# KiCad board rosco_m68k_keyboard-2.kicad_pcb
title: rosco_m68k Project Box (keyboard); date: 2023-11-26; rev: 0; company: The Really Old-School Company Limited; note: Copyright 2023 The Really Old-School Company Limited; note: Closed Source; Not For Release; note: Design: roscopeco
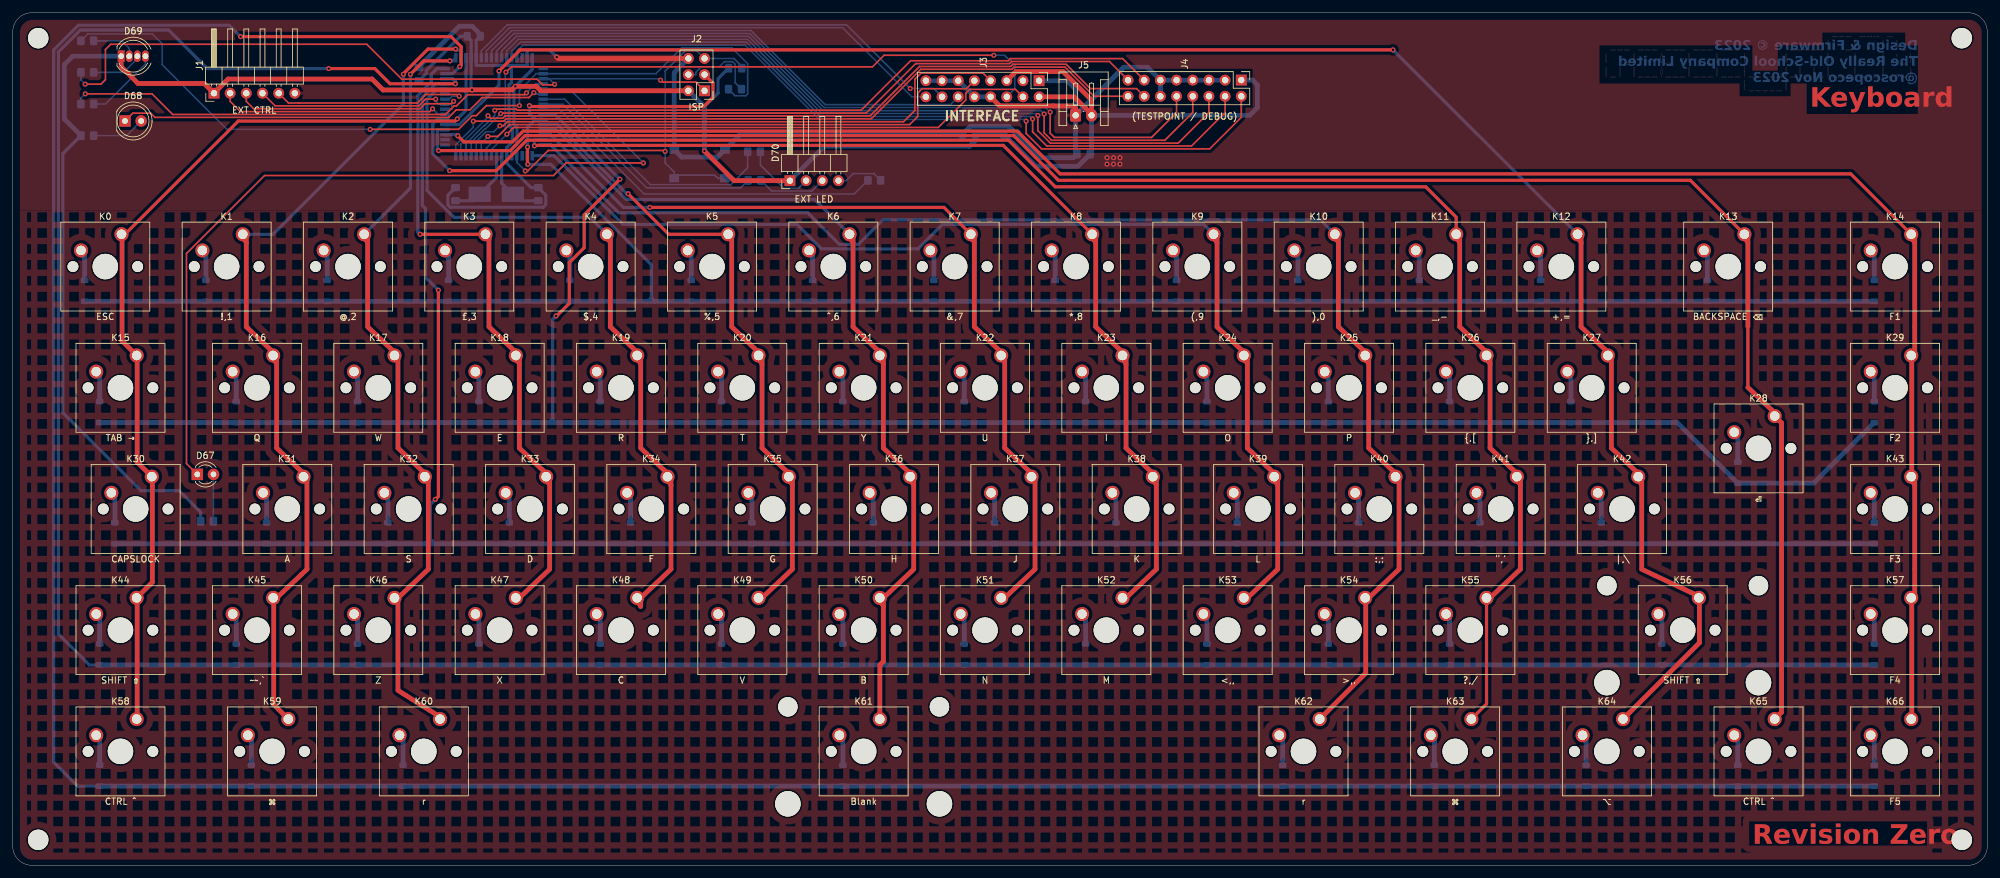
[diagram p0: board, top side]
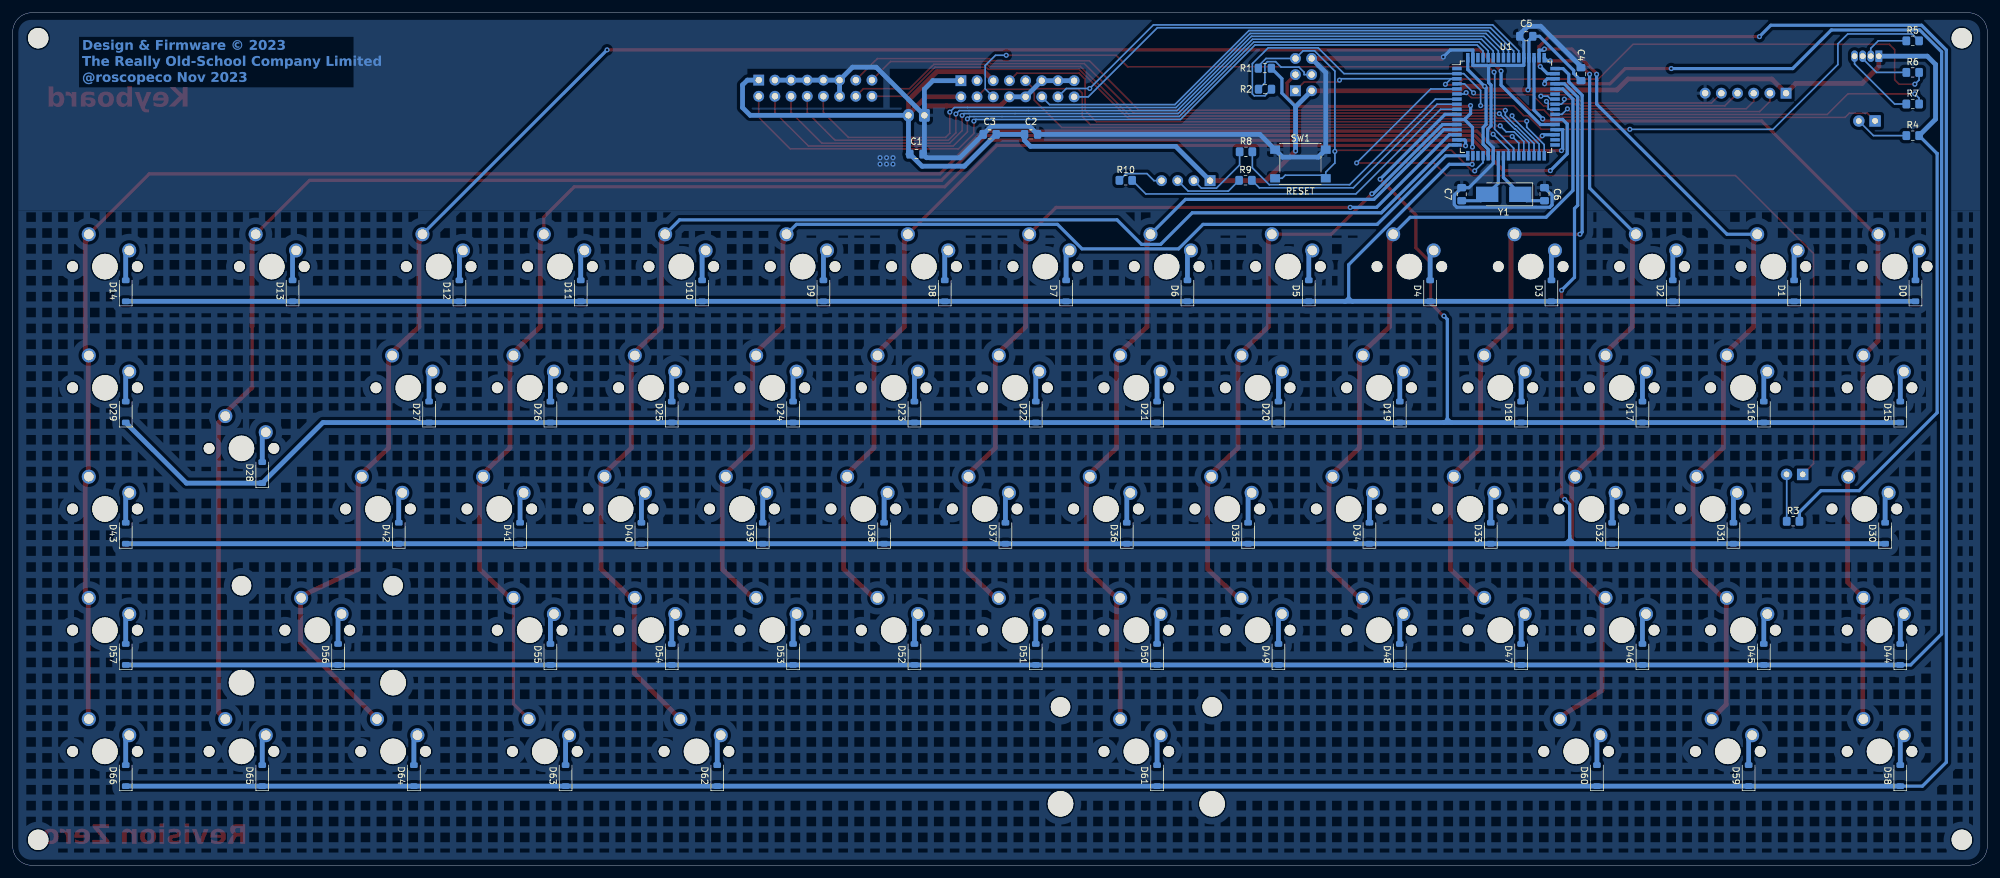
[diagram p1: board, bottom side, seen from below]

Outline 310 x 134 mm; copper layers: Top, Bottom. Coordinates in mm from the lower left corner of the outline.
Outline path: 0,131 arc(0.88,133.12) 3,134 307,134 arc(309.12,133.12) 310,131 310,3 arc(309.12,0.88) 307,0 3,0 arc(0.88,0.88) 0,3 0,131

## Placement (name value [footprint] x y rotation side)
C1  0.1u  [C_0805_2012Metric_Pad1.15x1.40mm_HandSolder]  168.12 111.78 180 bottom
C2  0.1u  [C_0805_2012Metric_Pad1.15x1.40mm_HandSolder]  150.12 114.88 180 bottom
C3  0.1u  [C_0805_2012Metric_Pad1.15x1.40mm_HandSolder]  156.62 114.88 0 bottom
C4  0.1u  [C_0805_2012Metric_Pad1.15x1.40mm_HandSolder]  63.78 124.34 90 bottom
C5  4.7u  [C_0805_2012Metric_Pad1.15x1.40mm_HandSolder]  72.38 130.29 0 bottom
C6  22p  [C_0805_2012Metric_Pad1.15x1.40mm_HandSolder]  69.51 105.48 90 bottom
C7  22p  [C_0805_2012Metric_Pad1.15x1.40mm_HandSolder]  82.51 105.48 90 bottom
D0  1N4148W  [D_SOD-123]  11.27 90.29 90 bottom
D1  1N4148W  [D_SOD-123]  30.32 90.29 90 bottom
D2  1N4148W  [D_SOD-123]  49.37 90.29 90 bottom
D3  1N4148W  [D_SOD-123]  68.42 90.29 90 bottom
D4  1N4148W  [D_SOD-123]  87.47 90.29 90 bottom
D5  1N4148W  [D_SOD-123]  106.52 90.29 90 bottom
D6  1N4148W  [D_SOD-123]  125.57 90.29 90 bottom
D7  1N4148W  [D_SOD-123]  144.62 90.29 90 bottom
D8  1N4148W  [D_SOD-123]  163.67 90.29 90 bottom
D9  1N4148W  [D_SOD-123]  182.72 90.29 90 bottom
D10  1N4148W  [D_SOD-123]  201.77 90.29 90 bottom
D11  1N4148W  [D_SOD-123]  220.82 90.29 90 bottom
D12  1N4148W  [D_SOD-123]  239.87 90.29 90 bottom
D13  1N4148W  [D_SOD-123]  266.07 90.29 90 bottom
D14  1N4148W  [D_SOD-123]  292.26 90.29 90 bottom
D15  1N4148W  [D_SOD-123]  13.65 71.24 90 bottom
D16  1N4148W  [D_SOD-123]  35.09 71.24 90 bottom
D17  1N4148W  [D_SOD-123]  54.14 71.24 90 bottom
D18  1N4148W  [D_SOD-123]  73.19 71.24 90 bottom
D19  1N4148W  [D_SOD-123]  92.24 71.24 90 bottom
D20  1N4148W  [D_SOD-123]  111.29 71.24 90 bottom
D21  1N4148W  [D_SOD-123]  130.34 71.24 90 bottom
D22  1N4148W  [D_SOD-123]  149.39 71.24 90 bottom
D23  1N4148W  [D_SOD-123]  168.44 71.24 90 bottom
D24  1N4148W  [D_SOD-123]  187.49 71.24 90 bottom
D25  1N4148W  [D_SOD-123]  206.54 71.24 90 bottom
D26  1N4148W  [D_SOD-123]  225.59 71.24 90 bottom
D27  1N4148W  [D_SOD-123]  244.64 71.24 90 bottom
D28  1N4148W  [D_SOD-123]  270.83 61.71 90 bottom
D29  1N4148W  [D_SOD-123]  292.26 71.24 90 bottom
D30  1N4148W  [D_SOD-123]  16.04 52.19 90 bottom
D31  1N4148W  [D_SOD-123]  39.85 52.19 90 bottom
D32  1N4148W  [D_SOD-123]  58.9 52.19 90 bottom
D33  1N4148W  [D_SOD-123]  77.95 52.19 90 bottom
D34  1N4148W  [D_SOD-123]  97 52.19 90 bottom
D35  1N4148W  [D_SOD-123]  116.05 52.19 90 bottom
D36  1N4148W  [D_SOD-123]  135.1 52.19 90 bottom
D37  1N4148W  [D_SOD-123]  154.15 52.19 90 bottom
D38  1N4148W  [D_SOD-123]  173.2 52.19 90 bottom
D39  1N4148W  [D_SOD-123]  192.25 52.19 90 bottom
D40  1N4148W  [D_SOD-123]  211.3 52.19 90 bottom
D41  1N4148W  [D_SOD-123]  230.35 52.19 90 bottom
D42  1N4148W  [D_SOD-123]  249.4 52.19 90 bottom
D43  1N4148W  [D_SOD-123]  292.26 52.19 90 bottom
D44  1N4148W  [D_SOD-123]  13.65 33.14 90 bottom
D45  1N4148W  [D_SOD-123]  35.09 33.14 90 bottom
D46  1N4148W  [D_SOD-123]  54.14 33.14 90 bottom
D47  1N4148W  [D_SOD-123]  73.19 33.14 90 bottom
D48  1N4148W  [D_SOD-123]  92.24 33.14 90 bottom
D49  1N4148W  [D_SOD-123]  111.29 33.14 90 bottom
D50  1N4148W  [D_SOD-123]  130.34 33.14 90 bottom
D51  1N4148W  [D_SOD-123]  149.39 33.14 90 bottom
D52  1N4148W  [D_SOD-123]  168.44 33.14 90 bottom
D53  1N4148W  [D_SOD-123]  187.49 33.14 90 bottom
D54  1N4148W  [D_SOD-123]  206.54 33.14 90 bottom
D55  1N4148W  [D_SOD-123]  225.59 33.14 90 bottom
D56  1N4148W  [D_SOD-123]  258.92 33.14 90 bottom
D57  1N4148W  [D_SOD-123]  292.26 33.14 90 bottom
D58  1N4148W  [D_SOD-123]  13.65 14.09 90 bottom
D59  1N4148W  [D_SOD-123]  37.47 14.09 90 bottom
D60  1N4148W  [D_SOD-123]  61.28 14.09 90 bottom
D61  1N4148W  [D_SOD-123]  130.34 14.09 90 bottom
D62  1N4148W  [D_SOD-123]  199.39 14.09 90 bottom
D63  1N4148W  [D_SOD-123]  223.2 14.09 90 bottom
D64  1N4148W  [D_SOD-123]  247.02 14.09 90 bottom
D65  1N4148W  [D_SOD-123]  270.83 14.09 90 bottom
D66  1N4148W  [D_SOD-123]  292.26 14.09 90 bottom
D67  CAPSLOCK  [LED_D3.0mm]  28.98 61.44 0 top
D68  DISK  [LED_D5.0mm]  17.62 116.99 0 top
D69  POWER  [LED_D5.0mm-4_RGB]  17.02 127.17 0 top
D70  EXT_LED  [PinHeader_1x04_P2.54mm_Horizontal]  122.02 107.6 90 top
H1  MountingHole  [MountingHole_3.2mm_M3_DIN965]  4 130 0 top
H2  MountingHole  [MountingHole_3.2mm_M3_DIN965]  306 130 0 top
H3  MountingHole  [MountingHole_3.2mm_M3_DIN965]  306 4 0 top
H4  MountingHole  [MountingHole_3.2mm_M3_DIN965]  4 4 0 top
J1  Conn_01x04_Pin  [PinHeader_1x06_P2.54mm_Horizontal]  31.59 121.35 90 top
J2  Conn_02x03_Odd_Even  [PinHeader_2x03_P2.54mm_Vertical]  108.62 121.73 180 top
J3  Conn_02x08_Odd_Even  [PinHeader_2x08_P2.54mm_Vertical]  161.14 123.32 270 top
J4  Conn_02x08_Odd_Even  [PinHeader_2x08_P2.54mm_Vertical]  192.88 123.41 270 top
J5  Conn_02x02_Odd_Even  [JST_EH_S2B-EH_1x02_P2.50mm_Horizontal]  166.87 117.88 0 top
K0  ESC  [SW_Cherry_MX_1.00u_PCB]  17.07 99.18 0 top
K1  !,1  [SW_Cherry_MX_1.00u_PCB]  36.12 99.18 0 top
K2  @,2  [SW_Cherry_MX_1.00u_PCB]  55.17 99.18 0 top
K3  £,3  [SW_Cherry_MX_1.00u_PCB]  74.22 99.18 0 top
K4  $,4  [SW_Cherry_MX_1.00u_PCB]  93.27 99.18 0 top
K5  %,5  [SW_Cherry_MX_1.00u_PCB]  112.32 99.18 0 top
K6  ^,6  [SW_Cherry_MX_1.00u_PCB]  131.37 99.18 0 top
K7  &,7  [SW_Cherry_MX_1.00u_PCB]  150.42 99.18 0 top
K8  *,8  [SW_Cherry_MX_1.00u_PCB]  169.47 99.18 0 top
K9  (,9  [SW_Cherry_MX_1.00u_PCB]  188.52 99.18 0 top
K10  ),0  [SW_Cherry_MX_1.00u_PCB]  207.57 99.18 0 top
K11  _,-  [SW_Cherry_MX_1.00u_PCB]  226.62 99.18 0 top
K12  +,=  [SW_Cherry_MX_1.00u_PCB]  245.67 99.18 0 top
K13  BACKSPACE ⌫  [SW_Cherry_MX_1.75u_PCB]  271.87 99.18 0 top
K14  F1  [SW_Cherry_MX_1.00u_PCB]  298.06 99.18 0 top
K15  TAB ⇥  [SW_Cherry_MX_1.25u_PCB]  19.45 80.13 0 top
K16  Q  [SW_Cherry_MX_1.00u_PCB]  40.89 80.13 0 top
K17  W  [SW_Cherry_MX_1.00u_PCB]  59.94 80.13 0 top
K18  E  [SW_Cherry_MX_1.00u_PCB]  78.99 80.13 0 top
K19  R  [SW_Cherry_MX_1.00u_PCB]  98.04 80.13 0 top
K20  T  [SW_Cherry_MX_1.00u_PCB]  117.09 80.13 0 top
K21  Y  [SW_Cherry_MX_1.00u_PCB]  136.14 80.13 0 top
K22  U  [SW_Cherry_MX_1.00u_PCB]  155.19 80.13 0 top
K23  I  [SW_Cherry_MX_1.00u_PCB]  174.24 80.13 0 top
K24  O  [SW_Cherry_MX_1.00u_PCB]  193.29 80.13 0 top
K25  P  [SW_Cherry_MX_1.00u_PCB]  212.34 80.13 0 top
K26  {,[  [SW_Cherry_MX_1.00u_PCB]  231.39 80.13 0 top
K27  },]  [SW_Cherry_MX_1.00u_PCB]  250.43 80.13 0 top
K28  ⏎  [SW_Cherry_MX_1.25u_PCB]  276.63 70.6 0 top
K29  F2  [SW_Cherry_MX_1.00u_PCB]  298.06 80.13 0 top
K30  CAPSLOCK  [SW_Cherry_MX_1.50u_PCB]  21.84 61.08 0 top
K31  A  [SW_Cherry_MX_1.00u_PCB]  45.65 61.08 0 top
K32  S  [SW_Cherry_MX_1.00u_PCB]  64.7 61.08 0 top
K33  D  [SW_Cherry_MX_1.00u_PCB]  83.75 61.08 0 top
K34  F  [SW_Cherry_MX_1.00u_PCB]  102.8 61.08 0 top
K35  G  [SW_Cherry_MX_1.00u_PCB]  121.85 61.08 0 top
K36  H  [SW_Cherry_MX_1.00u_PCB]  140.9 61.08 0 top
K37  J  [SW_Cherry_MX_1.00u_PCB]  159.95 61.08 0 top
K38  K  [SW_Cherry_MX_1.00u_PCB]  179 61.08 0 top
K39  L  [SW_Cherry_MX_1.00u_PCB]  198.05 61.08 0 top
K40  :,;  [SW_Cherry_MX_1.00u_PCB]  217.1 61.08 0 top
K41  ",'  [SW_Cherry_MX_1.00u_PCB]  236.15 61.08 0 top
K42  |,\  [SW_Cherry_MX_1.00u_PCB]  255.2 61.08 0 top
K43  F3  [SW_Cherry_MX_1.00u_PCB]  298.06 61.08 0 top
K44  SHIFT ⇧  [SW_Cherry_MX_1.25u_PCB]  19.45 42.03 0 top
K45  ~~,`  [SW_Cherry_MX_1.00u_PCB]  40.89 42.03 0 top
K46  Z  [SW_Cherry_MX_1.00u_PCB]  59.94 42.03 0 top
K47  X  [SW_Cherry_MX_1.00u_PCB]  78.98 42.03 0 top
K48  C  [SW_Cherry_MX_1.00u_PCB]  98.04 42.03 0 top
K49  V  [SW_Cherry_MX_1.00u_PCB]  117.09 42.03 0 top
K50  B  [SW_Cherry_MX_1.00u_PCB]  136.14 42.03 0 top
K51  N  [SW_Cherry_MX_1.00u_PCB]  155.19 42.03 0 top
K52  M  [SW_Cherry_MX_1.00u_PCB]  174.24 42.03 0 top
K53  <,,  [SW_Cherry_MX_1.00u_PCB]  193.29 42.03 0 top
K54  >,.  [SW_Cherry_MX_1.00u_PCB]  212.34 42.03 0 top
K55  ?,/  [SW_Cherry_MX_1.00u_PCB]  231.39 42.03 0 top
K56  SHIFT ⇧  [SW_Cherry_MX_2.25u_PCB]  264.72 42.03 0 top
K57  F4  [SW_Cherry_MX_1.00u_PCB]  298.06 42.03 0 top
K58  CTRL ^  [SW_Cherry_MX_1.25u_PCB]  19.45 22.98 0 top
K59  ⌘  [SW_Cherry_MX_1.25u_PCB]  43.27 22.98 0 top
K60  r  [SW_Cherry_MX_1.25u_PCB]  67.08 22.98 0 top
K61  Blank  [SW_Cherry_MX_2.75u_PCB]  136.14 22.98 0 top
K62  r  [SW_Cherry_MX_1.25u_PCB]  205.19 22.98 0 top
K63  ⌘  [SW_Cherry_MX_1.25u_PCB]  229 22.98 0 top
K64  ⌥  [SW_Cherry_MX_1.25u_PCB]  252.82 22.98 0 top
K65  CTRL ^  [SW_Cherry_MX_1.25u_PCB]  276.63 22.98 0 top
K66  F5  [SW_Cherry_MX_1.00u_PCB]  298.06 22.98 0 top
R1  10k  [R_0805_2012Metric_Pad1.15x1.40mm_HandSolder]  113.42 125.28 180 bottom
R2  1K  [R_0805_2012Metric_Pad1.15x1.40mm_HandSolder]  113.4 121.98 180 bottom
R3  10k  [R_0805_2012Metric_Pad1.20x1.40mm_HandSolder]  30.49 54.07 180 bottom
R4  10k  [R_0805_2012Metric_Pad1.20x1.40mm_HandSolder]  11.7 114.69 180 bottom
R5  10k  [R_0805_2012Metric_Pad1.20x1.40mm_HandSolder]  11.7 129.58 180 bottom
R6  10k  [R_0805_2012Metric_Pad1.20x1.40mm_HandSolder]  11.7 124.62 180 bottom
R7  10k  [R_0805_2012Metric_Pad1.20x1.40mm_HandSolder]  11.7 119.65 180 bottom
R8  10k  [R_0805_2012Metric_Pad1.20x1.40mm_HandSolder]  116.38 112.15 180 bottom
R9  10k  [R_0805_2012Metric_Pad1.20x1.40mm_HandSolder]  116.46 107.66 180 bottom
R10  10k  [R_0805_2012Metric_Pad1.20x1.40mm_HandSolder]  135.25 107.66 180 bottom
REF**  -  [MD-rosco_m68k_logo]  275.1 123.02 0 top
SW1  Reset_SW  [SW_Push_1P1T_NO_6x6mm_H9.5mm]  107.83 110.23 180 bottom
U1  ATmega64A-A  [TQFP-64_14x14mm_P0.8mm]  75.56 119.22 180 bottom
Y1  Crystal  [Crystal_SMD_5032-2Pin_5.0x3.2mm_HandSoldering]  75.91 105.45 0 bottom

## Library data of the parts
C1-C7 = -: Description: Unpolarized capacitor
D0-D66 = -: Description: Diode; Sim.Device: D; Sim.Pins: 1=K 2=A
D67 D68 = -: Description: Light emitting diode
D69 D70 = -: Description: RGB LED, anode/red/green/blue
H1-H4 = -: Description: Mounting Hole without connection
J1 = -: Description: Generic connector, single row, 01x06, script generated
J2 = -: Description: Generic connector, double row, 02x03, odd/even pin numbering scheme (row 1 odd numbers, row 2 even numbers), script generated (kicad-library-utils/schlib/autogen/connector/)
J3 J4 = -: Description: Generic connector, double row, 02x08, odd/even pin numbering scheme (row 1 odd numbers, row 2 even numbers), script generated (kicad-library-utils/schlib/autogen/connector/)
J5 = -: Description: Generic connector, single row, 01x02, script generated (kicad-library-utils/schlib/autogen/connector/)
K0-K66 SW1 = -: Description: Push button switch, generic, two pins
R1-R10 = -: Description: Resistor
U1 = -: Description: 16MHz, 64kB Flash, 4kB SRAM, 2kB EEPROM, TQFP-64
Y1 = -: Description: Two pin crystal

## Footprints (pads in the part's own frame, mm; a bottom-side part is the same pattern mirrored in y, then rotated)
C_0805_2012Metric_Pad1.15x1.40mm_HandSolder
  rrect 1.15x1.4 smd: 1(-1.025,0) 2(1.025,0)
Crystal_SMD_5032-2Pin_5.0x3.2mm_HandSoldering
  rect 3.5x2.4 smd: 1(-2.6,0) 2(2.6,0)
D_SOD-123
  rrect 0.9x1.2 smd: 1(-1.65,0) 2(1.65,0)
JST_EH_S2B-EH_1x02_P2.50mm_Horizontal
  rrect 1.7x2 hole 1: 1(0,0)
  oval 1.7x2 hole 1: 2(2.5,0)
LED_D3.0mm
  rect 1.8x1.8 hole 0.9: 1(0,0)
  round 1.8 hole 0.9: 2(2.54,0)
LED_D5.0mm
  rect 1.8x1.8 hole 0.9: 1(0,0)
  round 1.8 hole 0.9: 2(2.54,0)
LED_D5.0mm-4_RGB
  rect 1.07x1.8 hole 0.9: 1(0,0)
  oval 1.07x1.8 hole 0.9: 2(1.27,0) 3(2.54,0) 4(3.81,0)
MountingHole_3.2mm_M3_DIN965
  round 3.2 hole 3.2 unplated: (0,0)
PinHeader_1x04_P2.54mm_Horizontal
  rect 1.7x1.7 hole 1: 1(0,0)
  oval 1.7x1.7 hole 1: 2(0,-2.54) 3(0,-5.08) 4(0,-7.62)
PinHeader_1x06_P2.54mm_Horizontal
  rect 1.7x1.7 hole 1: 1(0,0)
  oval 1.7x1.7 hole 1: 2(0,-2.54) 3(0,-5.08) 4(0,-7.62) 5(0,-10.16) 6(0,-12.7)
PinHeader_2x03_P2.54mm_Vertical
  rect 1.7x1.7 hole 1: 1(0,0)
  oval 1.7x1.7 hole 1: 2(2.54,0) 3(0,-2.54) 4(2.54,-2.54) 5(0,-5.08) 6(2.54,-5.08)
PinHeader_2x08_P2.54mm_Vertical
  rect 1.7x1.7 hole 1: 1(0,0)
  oval 1.7x1.7 hole 1: 2(2.54,0) 3(0,-2.54) 4(2.54,-2.54) 5(0,-5.08) 6(2.54,-5.08) 7(0,-7.62) 8(2.54,-7.62) 9(0,-10.16) 10(2.54,-10.16) 11(0,-12.7) 12(2.54,-12.7) 13(0,-15.24) 14(2.54,-15.24) 15(0,-17.78) 16(2.54,-17.78)
R_0805_2012Metric_Pad1.15x1.40mm_HandSolder
  rrect 1.15x1.4 smd: 1(-1.025,0) 2(1.025,0)
R_0805_2012Metric_Pad1.20x1.40mm_HandSolder
  rrect 1.2x1.4 smd: 1(-1,0) 2(1,0)
SW_Cherry_MX_1.00u_PCB
  round 1.7 hole 1.7 unplated: (-7.62,-5.08) (2.54,-5.08)
  round 4 hole 4 unplated: (-2.54,-5.08)
  round 2.2 hole 1.5: 1(0,0) 2(-6.35,-2.54)
SW_Cherry_MX_1.25u_PCB
  round 1.7 hole 1.7 unplated: (-7.62,-5.08) (2.54,-5.08)
  round 4 hole 4 unplated: (-2.54,-5.08)
  round 2.2 hole 1.5: 1(0,0) 2(-6.35,-2.54)
SW_Cherry_MX_1.50u_PCB
  round 1.7 hole 1.7 unplated: (-7.62,-5.08) (2.54,-5.08)
  round 4 hole 4 unplated: (-2.54,-5.08)
  round 2.2 hole 1.5: 1(0,0) 2(-6.35,-2.54)
SW_Cherry_MX_1.75u_PCB
  round 1.7 hole 1.7 unplated: (-7.62,-5.08) (2.54,-5.08)
  round 4 hole 4 unplated: (-2.54,-5.08)
  round 2.2 hole 1.5: 1(0,0) 2(-6.35,-2.54)
SW_Cherry_MX_2.25u_PCB
  round 3.05 hole 3.05 unplated: (-14.44,1.92) (9.36,1.92)
  round 4 hole 4 unplated: (-14.44,-13.32) (-2.54,-5.08) (9.36,-13.32)
  round 1.7 hole 1.7 unplated: (-7.62,-5.08) (2.54,-5.08)
  round 2.2 hole 1.5: 1(0,0) 2(-6.35,-2.54)
SW_Cherry_MX_2.75u_PCB
  round 3.05 hole 3.05 unplated: (-14.44,1.92) (9.36,1.92)
  round 4 hole 4 unplated: (-14.44,-13.32) (-2.54,-5.08) (9.36,-13.32)
  round 1.7 hole 1.7 unplated: (-7.62,-5.08) (2.54,-5.08)
  round 2.2 hole 1.5: 1(0,0) 2(-6.35,-2.54)
SW_Push_1P1T_NO_6x6mm_H9.5mm
  rect 1.55x1.3 smd: 1(-3.975,2.25) 1(3.975,2.25) 2(-3.975,-2.25) 2(3.975,-2.25)
TQFP-64_14x14mm_P0.8mm
  rect 1.5x0.55 smd: 1(-7.7,6) 2(-7.7,5.2) 3(-7.7,4.4) 4(-7.7,3.6) 5(-7.7,2.8) 6(-7.7,2) 7(-7.7,1.2) 8(-7.7,0.4) 9(-7.7,-0.4) 10(-7.7,-1.2) 11(-7.7,-2) 12(-7.7,-2.8) 13(-7.7,-3.6) 14(-7.7,-4.4) 15(-7.7,-5.2) 16(-7.7,-6) 33(7.7,-6) 34(7.7,-5.2) 35(7.7,-4.4) 36(7.7,-3.6) 37(7.7,-2.8) 38(7.7,-2) 39(7.7,-1.2) 40(7.7,-0.4) 41(7.7,0.4) 42(7.7,1.2) 43(7.7,2) 44(7.7,2.8) 45(7.7,3.6) 46(7.7,4.4) 47(7.7,5.2) 48(7.7,6)
  rect 0.55x1.5 smd: 17(-6,-7.7) 18(-5.2,-7.7) 19(-4.4,-7.7) 20(-3.6,-7.7) 21(-2.8,-7.7) 22(-2,-7.7) 23(-1.2,-7.7) 24(-0.4,-7.7) 25(0.4,-7.7) 26(1.2,-7.7) 27(2,-7.7) 28(2.8,-7.7) 29(3.6,-7.7) 30(4.4,-7.7) 31(5.2,-7.7) 32(6,-7.7) 49(6,7.7) 50(5.2,7.7) 51(4.4,7.7) 52(3.6,7.7) 53(2.8,7.7) 54(2,7.7) 55(1.2,7.7) 56(0.4,7.7) 57(-0.4,7.7) 58(-1.2,7.7) 59(-2,7.7) 60(-2.8,7.7) 61(-3.6,7.7) 62(-4.4,7.7) 63(-5.2,7.7) 64(-6,7.7)

## Nets
GND: C1.2 C2.2 C3.2 C4.2 C5.2 C6.2 C7.2 J1.6 J2.6 J3.1 J3.8 J3.10 J3.11 J3.13 J3.15 J4.3 J4.5 J4.7 J4.9 J4.11 J4.12 J5.1 SW1.1 U1.22 U1.53 U1.63
VCC: C1.1 C2.1 C3.1 C4.1 C5.1 D69.1 D70.1 J1.1 J2.2 J3.2 J3.5 J4.1 J5.2 R1.2 R3.2 R4.2 U1.21 U1.52 U1.64
/AUX_D4: J4.15 U1.29
/AUX_D5: J4.13 U1.30
/AUX_D6: J4.14 U1.31
/AUX_D7: J4.16 U1.32
/AUX_F0: J4.2 U1.61
/AUX_F1: J4.4 U1.60
/AUX_F2: J4.6 U1.59
/AUX_F3: J4.8 U1.58
/AUX_F4: J4.10 U1.57
/Col_0: K0.1 K15.1 K30.1 K44.1 K58.1 U1.51
/Col_1: K1.1 K16.1 K31.1 K45.1 K59.1 U1.50
/Col_2: K2.1 K17.1 K32.1 K46.1 K60.1 U1.49
/Col_3: K3.1 K18.1 K33.1 K47.1 U1.48
/Col_4: K4.1 K19.1 K34.1 K48.1 U1.44
/Col_5: K5.1 K20.1 K35.1 K49.1 U1.12
/Col_6: K6.1 K21.1 K36.1 K50.1 K61.1 U1.13
/Col_7: K7.1 K22.1 K37.1 K51.1 U1.14
/Col_8: K8.1 K23.1 K38.1 K52.1 U1.15
/Col_9: K9.1 K24.1 K39.1 K53.1 U1.17
/Col_10: K10.1 K25.1 K40.1 K54.1 K62.1 U1.16
/Col_11: K11.1 K26.1 K41.1 K55.1 K63.1 U1.38
/Col_12: K12.1 K27.1 K42.1 K56.1 K64.1 U1.37
/Col_13: K13.1 K28.1 K65.1 U1.36
/Col_14: K14.1 K29.1 K43.1 K57.1 K66.1 U1.35
/LED0: R2.2 R5.2 U1.2
/LED1: J2.1 R6.2 U1.3
/LED2: R7.2 U1.4
/LED3: D67.1 U1.5
/LED4: D68.1 U1.6
/LED5: R8.2 U1.7
/LED6: R9.2 U1.8
/LED7: R10.2 U1.9
/MISO: J1.3 U1.40
/MOSI: J1.4 U1.41
/Reset: J2.5 R1.1 SW1.2 U1.20
/Row_0: D0.1 D1.1 D2.1 D3.1 D4.1 D5.1 D6.1 D7.1 D8.1 D9.1 D10.1 D11.1 D12.1 D13.1 D14.1 J2.3 U1.11
/Row_1: D15.1 D16.1 D17.1 D18.1 D19.1 D20.1 D21.1 D22.1 D23.1 D24.1 D25.1 D26.1 D27.1 D28.1 D29.1 U1.10
/Row_2: D30.1 D31.1 D32.1 D33.1 D34.1 D35.1 D36.1 D37.1 D38.1 D39.1 D40.1 D41.1 D42.1 D43.1 U1.45
/Row_3: D44.1 D45.1 D46.1 D47.1 D48.1 D49.1 D50.1 D51.1 D52.1 D53.1 D54.1 D55.1 D56.1 D57.1 U1.46
/Row_4: D58.1 D59.1 D60.1 D61.1 D62.1 D63.1 D64.1 D65.1 D66.1 U1.47
/RXD: J3.9 U1.27
/SCK: J1.2 U1.39
/SCL: J3.4 U1.25
/SDA: J3.6 U1.26
/SS: J1.5 U1.42
/TXD: J3.7 U1.28
/UART_MODE_JP_I: J3.14 U1.54
/UART_SPEED_JP_I: J3.16 U1.55
/X_JP_I: J3.12 U1.56
Net-(D0-A): D0.2 K0.2
Net-(D1-A): D1.2 K1.2
Net-(D2-A): D2.2 K2.2
Net-(D3-A): D3.2 K3.2
Net-(D4-A): D4.2 K4.2
Net-(D5-A): D5.2 K5.2
Net-(D6-A): D6.2 K6.2
Net-(D7-A): D7.2 K7.2
Net-(D8-A): D8.2 K8.2
Net-(D9-A): D9.2 K9.2
Net-(D10-A): D10.2 K10.2
Net-(D11-A): D11.2 K11.2
Net-(D12-A): D12.2 K12.2
Net-(D13-A): D13.2 K13.2
Net-(D14-A): D14.2 K14.2
Net-(D15-A): D15.2 K15.2
Net-(D16-A): D16.2 K16.2
Net-(D17-A): D17.2 K17.2
Net-(D18-A): D18.2 K18.2
Net-(D19-A): D19.2 K19.2
Net-(D20-A): D20.2 K20.2
Net-(D21-A): D21.2 K21.2
Net-(D22-A): D22.2 K22.2
Net-(D23-A): D23.2 K23.2
Net-(D24-A): D24.2 K24.2
Net-(D25-A): D25.2 K25.2
Net-(D26-A): D26.2 K26.2
Net-(D27-A): D27.2 K27.2
Net-(D28-A): D28.2 K28.2
Net-(D29-A): D29.2 K29.2